# KiCad board AmigaPCI Mainboard.kicad_pcb (continued)
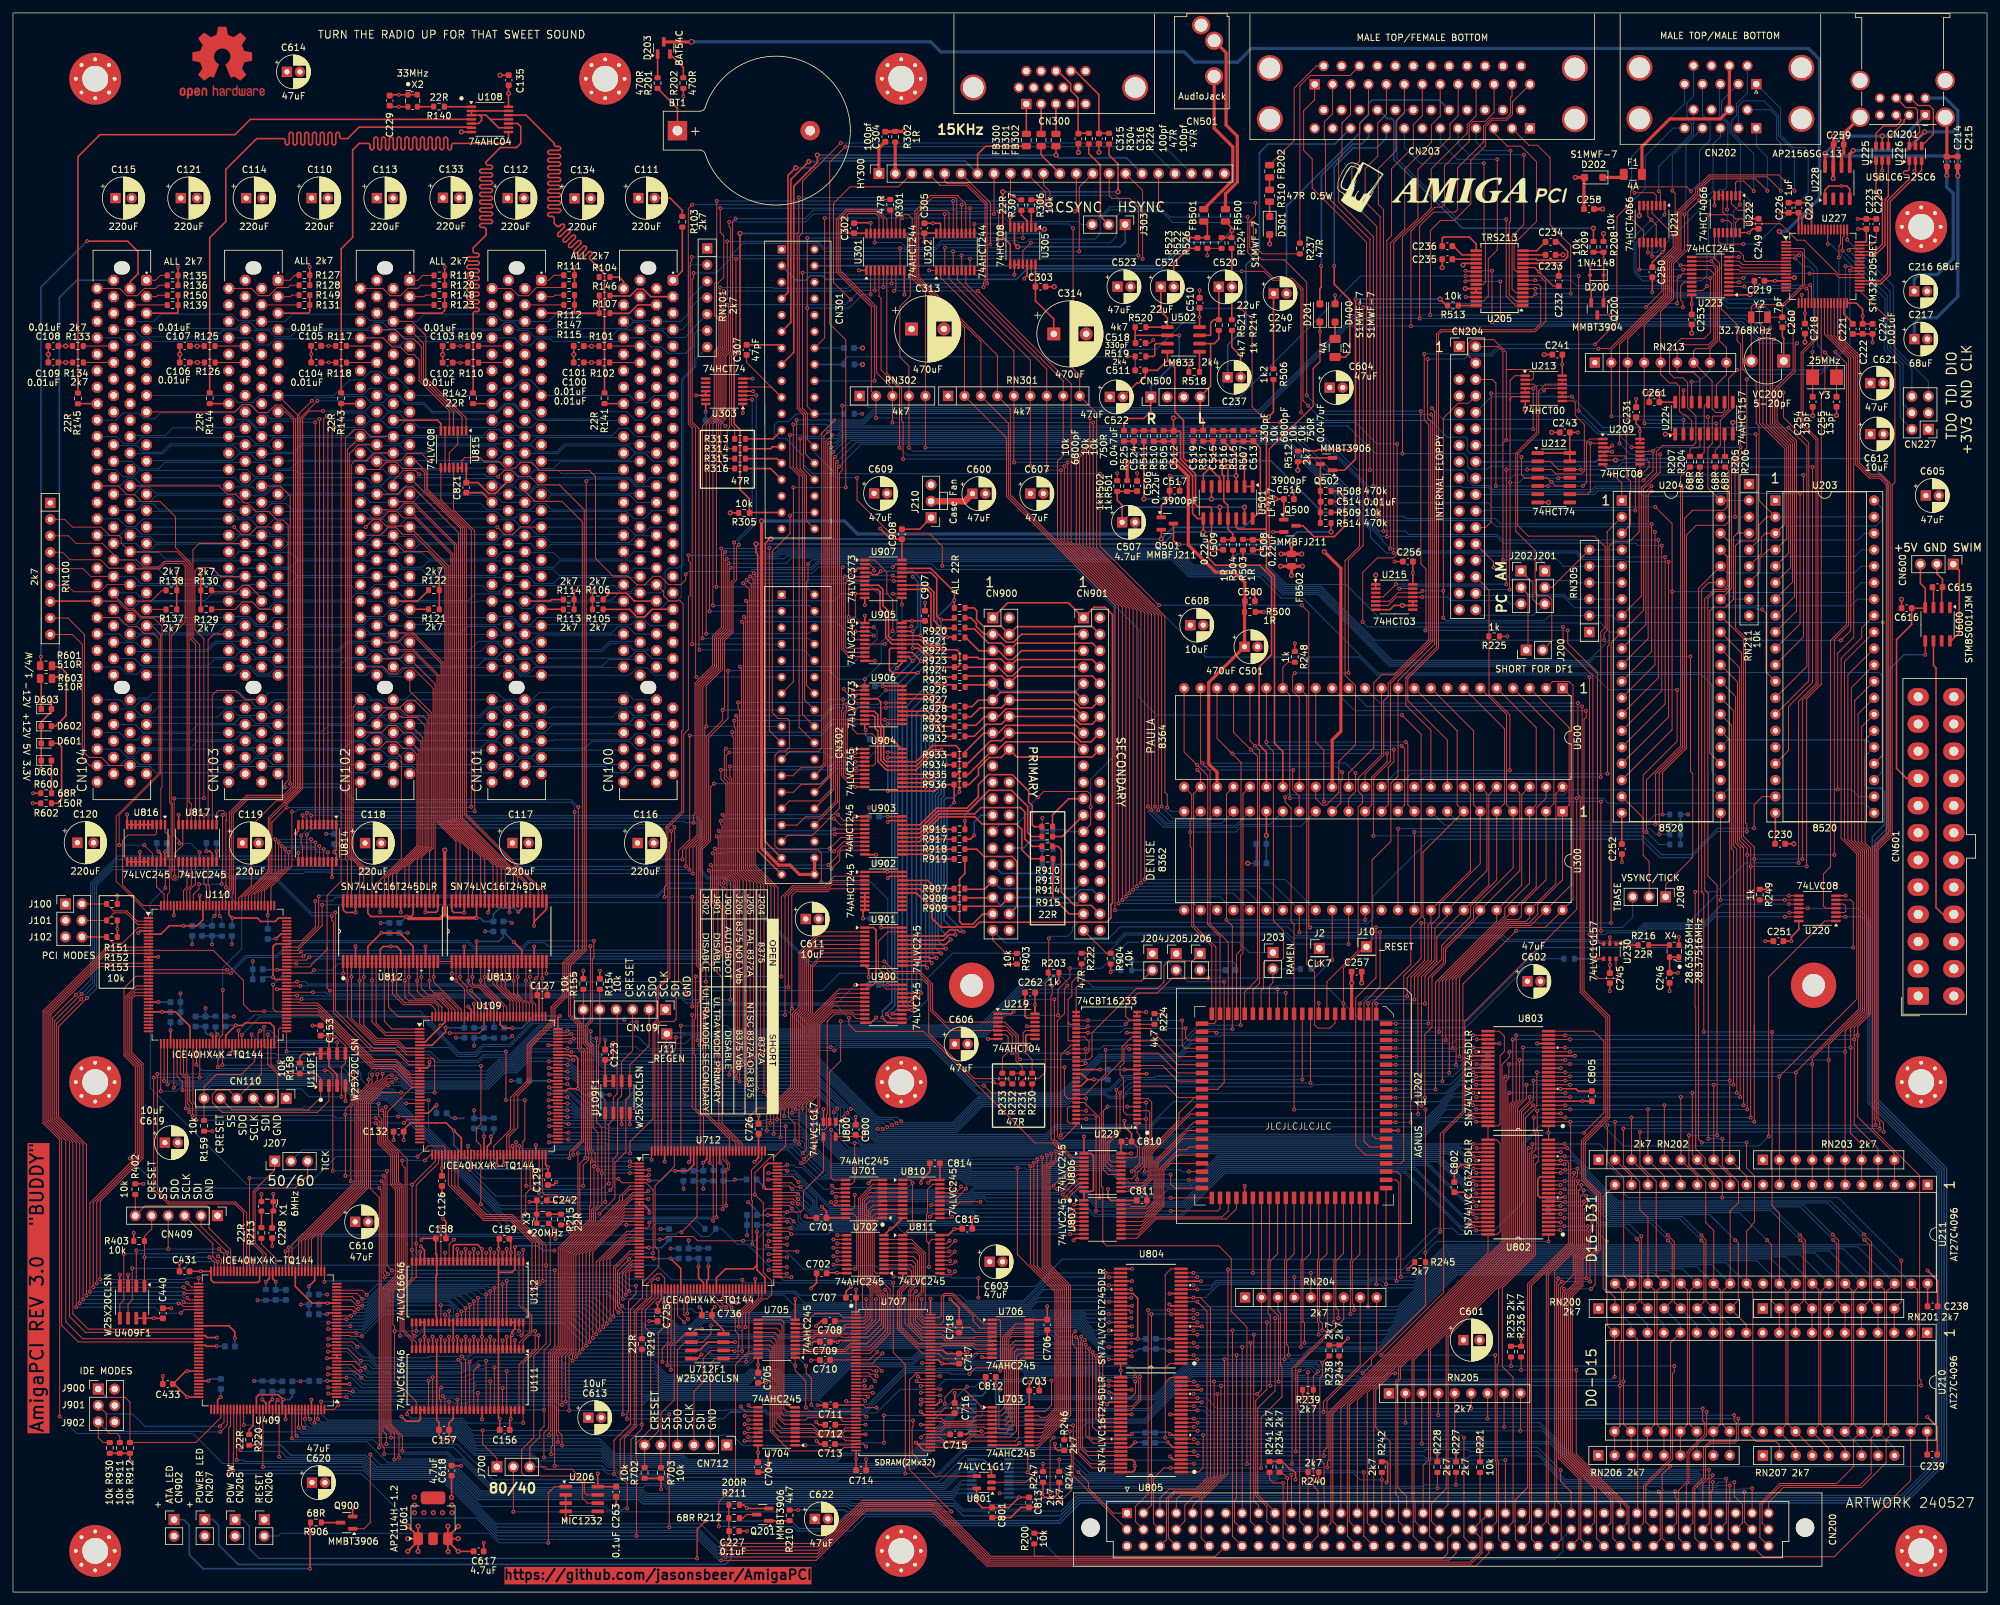
[diagram p0: board, top side]
## Routing (per net, layer and track width the routed paths; a pad name or vN(x,y) marks a point on that pad's centre or on a via; arc(x,y) is an arc through that point) (continued)
  Top w0.25: R921.2 147.88,150.45 148.74,149.59 148.74,149.12 149.96,147.9 CN900.3 152.16,147.9 153.38,146.68 154.51,146.68 155.72,147.9 CN901.3
/IDE Interface/DD8A: length 24.3
  Top w0.25: R920.2 148.39,151.97 148.8,151.56 148.8,150.17 149.82,149.15 152.57,149.15 CN900.4 155,149.07 166.64,149.07 CN901.4
/IDE Interface/DD9A: length 23
  Top w0.25: CN901.6 166.64,146.53 155,146.53 CN900.6 ; 147.12,148.72 148.44,148.72 150.62,146.54 152.6,146.54 153.8,145.34
/IDE Interface/DD10A: length 22.4
  Top w0.25: CN900.8 155,143.99 166.64,143.99 CN901.8 ; 153.8,142.8 152.52,144.08 149.17,144.08 148.91,144.34 R924.2
/IDE Interface/DD11A: length 22.2
  Top w0.25: CN901.10 166.64,141.45 155,141.45 CN900.10 152.64,141.45 147.12,141.45
/IDE Interface/DD12A: length 22.8
  Top w0.25: 147.08,135.16 147.94,135.16 149.32,136.54 152.62,136.54 153.8,137.72 ; CN900.12 163.62,137.74 164.82,136.54 166.62,136.54 CN901.12
/IDE Interface/DD13A: length 23.1
  Top w0.25: CN900.14 163.62,135.2 164.79,134.02 166.64,134.02 CN901.14 ; 153.8,135.18 152.62,134 150.27,134 148.41,132.14 R932.2
/IDE Interface/DD14A: length 24
  Top w0.25: CN901.16 166.45,131.29 164.88,131.29 163.51,132.66 CN900.16 ; R934.2 147.25,127.75 150.96,131.46 152.62,131.46 153.8,132.64
/IDE Interface/DD15A: length 24.7
  Top w0.25: R936.2 147.63,124.69 149.08,126.14 149.08,127.2 150.75,128.87 152.57,128.87 CN900.18 155,128.94 166.64,128.94 CN901.18
/IDE Interface/IDED0: length 86.4
  Top w0.25: v1(136.45,142.66) 137.25,143.45 U905.11 ; R920.1 v1(145.35,153.16) 145.35,154.44 141.72,158.07 U907.18 ; U900.11 135.03,87.91 v1(134.23,88.71)
  Bottom w0.25: v1(145.35,153.16) 142.69,150.5 142.69,148.17 138.99,144.48 138.28,144.48 v1(136.45,142.66) 135.7,141.9 135.7,91.16 134.23,89.69 v1(134.23,88.71)
/IDE Interface/IDED1: length 82.7
  Top w0.25: v1(140.2,143.74) 138.86,145.09 U905.13 ; U907.14 141.11,155.47 142.19,154.39 142.19,150.03 143.4,148.82 v1(143.94,148.82) 145.28,148.82 ; U900.13 135.89,89.21 v1(135.79,89.31)
  Bottom w0.25: 136.6,92.84 136.6,90.12 v1(135.79,89.31) ; 136.6,92.84 136.6,92.54 136.6,93.75 ; 136.6,92.84 136.6,93.75 ; 136.6,93.75 136.6,140.14 v1(140.2,143.74) 140.2,144.42 143.94,148.15 v1(143.94,148.82)
/IDE Interface/IDED2: length 80.1
  Top w0.25: U907.8 133.51,154.82 133.87,154.46 133.87,151.8 134.74,150.93 134.74,147.39 135.74,146.39 U905.15 139.78,146.39 141.83,144.34 v1(141.94,144.34) R924.1 ; U900.15 v1(139.21,90.51)
  Bottom w0.25: v1(141.94,144.34) 141.94,140.76 138.05,136.87 138.05,90.93 138.47,90.51 v1(139.21,90.51)
/IDE Interface/IDED3: length 85.4
  Top w0.25: U907.4 132.41,157.42 132.71,157.12 133.45,157.12 v1(133.96,157.63) ; v1(143.42,146.11) 141.71,146.11 v1(140.13,147.69) U905.17 ; R926.1 v1(143.19,141.29) ; U900.17 v1(139.5,91.81)
  Bottom w0.25: v1(143.42,146.11) 143.42,144.05 143.19,143.82 v1(143.19,141.29) 143.19,139.36 139.5,135.67 139.5,93.29 v1(139.5,91.81) ; v1(133.96,157.63) 138.99,157.63 140.13,156.49 v1(140.13,147.69)
/IDE Interface/IDED4: length 57.9
  Top w0.25: U901.12 141.59,97.4 v1(141.87,97.12) ; v1(141.54,124.98) 141.53,124.98 U904.12 ; R929.1 142.98,135.2 v1(142.67,135.51) 142.67,136.63 141.34,137.96 U906.17
  Bottom w0.25: v1(142.67,135.51) 141.51,134.36 141.51,97.47 v1(141.87,97.12)
/IDE Interface/IDED5: length 56.9
  Top w0.25: U904.14 142.87,126.28 v1(142.87,126.28) ; U901.14 143.25,98.7 v1(143.33,98.62) ; U906.13 140.81,135.36 v1(142.6,133.57) 144.03,132.14 R932.1
  Bottom w0.25: v1(143.33,98.62) 142.42,99.53 142.42,123.05 142.87,123.5 v1(142.87,126.28) 142.87,128.04 142.42,128.5 142.42,132.63 142.6,132.82 v1(142.6,133.57)
/IDE Interface/IDED6: length 59.8
  Top w0.25: R934.1 144.13,127.75 v1(144.12,127.76) ; v1(144.8,100.76) 144.04,100 U901.16 ; v1(143.35,130.07) 143.33,130.06 141.95,130.06 139.47,127.58 U904.16 134.86,127.58 134,128.43 134,133.35 133.54,133.81 133.54,135.45 132.98,136.01 U906.7
  Bottom w0.25: v1(144.8,100.76) 143.31,102.24 143.31,122.47 143.77,122.92 143.77,125.39 143.94,125.56 143.94,127.58 v1(144.12,127.76) 144.12,129.3 v1(143.35,130.07)
/IDE Interface/IDED7: length 66.8
  Top w0.25: v1(146.79,101.97) 146.12,101.97 145.86,102.23 144.61,102.23 143.68,101.3 U901.18 ; v1(145.33,121.94) 145.31,121.95 R936.1 143.32,124.69 142.33,123.7 v1(135.08,123.7) ; v1(130.01,138.41) 130.2,138.61 U906.3 ; v1(135.08,128.88) 137.25,128.88
  In2.Cu w0.25: v1(130.01,138.41) 130.96,137.46 130.96,130.89 132.98,128.88 v1(135.08,128.88)
  Bottom w0.25: v1(135.08,123.7) v1(135.08,128.88) ; v1(145.33,121.94) 144.21,120.82 144.21,104.54 v1(146.79,101.97)
/IDE Interface/IDED8: length 65.4
  Top w0.25: 146.14,126.63 v1(146.14,123.57) ; 146.14,126.63 145.73,126.22 R935.1 ; 146.14,126.63 146.14,130.14 145.58,130.7 141.96,130.7 139.49,128.23 U904.17 134.84,128.23 134.45,128.62 134.45,133.54 133.99,134 133.99,137.46 133.49,137.96 U906.4 ; v1(145.54,101.51) 144.52,101.51 143.66,100.65 U901.17
  Bottom w0.25: v1(145.54,101.51) 145.54,101.93 143.76,103.71 143.76,122.28 144.1,122.61 145.18,122.61 v1(146.14,123.57)
/IDE Interface/IDED9: length 59.7
  Top w0.25: v1(144.05,99.34) 144.04,99.35 U901.15 ; R933.1 v1(143.04,129.29) 141.82,129.29 139.46,126.93 U904.15 134.87,126.93 133.55,128.25 133.55,132.96 133.09,133.42 133.09,135.12 132.85,135.36 U906.8
  Bottom w0.25: v1(143.04,129.29) 143.5,128.83 143.5,125.78 143.32,125.61 143.32,123.25 142.87,122.8 142.87,100.52 v1(144.05,99.34)
/IDE Interface/IDED10: length 56.9
  Top w0.25: U906.14 141.24,136.01 v1(142.64,134.61) 143.58,133.67 R931.1 ; U904.13 142.24,125.63 v1(142.25,125.63) ; U901.13 141.34,98.05 141.48,97.91 v1(142.6,97.91)
  Bottom w0.25: v1(142.6,97.91) 141.96,98.55 141.96,123.29 142.25,123.57 v1(142.25,125.63) 142.25,127.95 141.96,128.23 141.96,133.93 v1(142.64,134.61)
/IDE Interface/IDED11: length 58.5
  Top w0.25: v1(140.89,124.34) 140.88,124.33 U904.11 ; v1(141.15,96.4) 140.8,96.75 U901.11 ; R928.1 143.89,136.73 v1(143.4,137.21) 142.01,138.61 U906.18
  Bottom w0.25: v1(143.4,137.21) 140.91,134.72 140.91,96.64 v1(141.15,96.4)
/IDE Interface/IDED12: length 87.9
  Top w0.25: 145.27,140.1 v1(143.97,140.1) 142.44,140.1 141.1,141.44 141.1,144.43 139.77,145.76 v1(138.95,145.76) ; v1(138.94,148.34) 138.94,148.34 U905.18 ; U907.3 130.38,158.07 v1(130.01,157.7) ; U900.18 140.2,92.46 v1(140.22,92.48)
  In2.Cu w0.25: v1(138.94,156.8) 136.84,158.9 131.21,158.9 v1(130.01,157.7)
  Bottom w0.25: v1(138.95,145.76) 138.95,148.33 v1(138.94,148.34) 139.68,149.08 139.68,156.05 v1(138.94,156.8) ; v1(140.22,92.48) 140.23,92.48 140.23,135.05 143.97,138.8 v1(143.97,140.1)
/IDE Interface/IDED13: length 83.1
  Top w0.25: v1(142.56,142.81) 142.57,142.82 R925.1 145.89,142.82 146.18,143.11 146.18,145.05 145.74,145.49 141.7,145.49 140.15,147.04 U905.16 135.72,147.04 135.19,147.57 135.19,151.47 134.32,152.34 134.32,154.82 133.67,155.47 U907.7 ; v1(138.78,91.19) 138.75,91.16 U900.16
  Bottom w0.25: v1(142.56,142.81) 142.56,140.05 138.78,136.27 v1(138.78,91.19)
/IDE Interface/IDED14: length 86.7
  Top w0.25: v1(138.77,89.84) 138.75,89.86 U900.14 ; U907.13 141.12,154.82 141.74,154.2 141.74,149.14 143.4,147.48 v1(144.23,147.48) 145.27,147.48 ; v1(139.74,141.95) 135.78,141.95 135.32,142.41 135.32,145.52 135.54,145.74 U905.14
  Bottom w0.25: v1(138.77,89.84) 138.49,89.84 137.33,91 137.33,139.54 v1(139.74,141.95) 140.98,143.19 140.98,144.55 143.9,147.48 v1(144.23,147.48)
/IDE Interface/IDED15: length 83.4
  Top w0.25: U900.12 135.58,88.56 v1(134.91,89.23) ; v1(138.94,143.79) 138.29,144.44 U905.12 ; U907.17 141.73,157.42 142.64,156.51 142.64,150.72 143.22,150.14 145.29,150.14
  Bottom w0.25: v1(134.91,89.23) 134.91,89.31 136.15,90.56 136.15,141 v1(138.94,143.79) 143.31,148.16 v1(143.31,150.14)
/IDE Interface/INTRQ: length 5
  Bottom w0.25: 160.59,110.34 158.94,111.99 158.94,114.67
/IDE Interface/IRDY: length 186.4
  Top w0.15: CN901.27 166.4,118.54 v1(166.4,121.22) 166.4,123.13 165.92,123.62 159.14,123.62 v1(158.23,122.72) ; v1(103.87,157.16) 103.87,156.29 103.13,155.55 101.24,155.55 99.94,156.85 98.86,156.85 97.53,155.52 96.34,155.52 95,156.86 92.69,156.86 89.95,159.61 89.95,172.24 89.02,173.17 81.29,173.17 80,174.46 78.43,174.46 77.52,173.55 76.06,173.55 75.08,174.53 72.78,174.53 72.14,175.17 69.73,175.17 69.32,174.76 U815.13
  Top w0.25: U815.12 U815.13
  Bottom w0.15: v1(103.87,157.16) 104.29,157.58 113.84,157.58 114.17,157.91 123.39,157.91 124.28,158.8 141.82,158.8 142.71,157.91 164.11,157.91 170,152.02 170,129.1 166.4,125.51 v1(166.4,121.22) ; CN901.27 162.92,117.42 162.63,117.71 160.59,117.71 ; CN900.27 152.4,118.54 154.94,118.54 156.99,120.6 156.99,121.47 v1(158.23,122.72)
/Master Control/AUTOBOOT: length 28.9
  Top w0.15: U409.112 32.09,26.94 28.23,23.08 R912.1 18.06,29.32 17.32,30.06 14.46,30.06 J901.1
/Master Control/U409_CRESET: length 26.6
  Top w0.15: U409.66 33.59,51.35 33.62,51.38 33.62,52.86 30.26,56.21 30.26,59.31 29.94,59.63 20.4,59.63 CN409.6 R402.2
/Master Control/U409_SCK: length 32.3
  Top w0.15: v1(18.41,50) 18.41,45.11 17.77,44.46 U409F1.6 ; 31.62,49.55 v1(31.62,51.01) 30.85,51.77 30.85,53.77 CN409.3
  Bottom w0.15: v1(18.41,50) 18.43,49.99 26.4,49.99 27.42,51.01 v1(31.62,51.01)
/Master Control/U409_SDI: length 36.5
  Top w0.15: CN409.2 29.05,56.47 v1(33.09,52.43) U409.67 ; v1(17.12,52.24) 17.12,45.1 16.5,44.49 U409F1.5
  Bottom w0.15: v1(33.09,52.43) 33.09,52.44 28.46,52.44 28.26,52.24 v1(17.12,52.24)
/Master Control/U409_SDO: length 27.3
  Top w0.15: U409.68 32.59,52.19 v1(31.82,52.96) ; CN409.4 v1(23.97,52.96) ; 19.04,52.75 U409F1.2
  Bottom w0.15: v1(19.04,52.76) 20.13,52.76 20.33,52.96 v1(23.97,52.96) v1(31.82,52.96)
/Master Control/U409_SS: length 23.9
  Top w0.15: v1(20.31,51.71) 20.31,54.95 21.43,56.08 CN409.5 ; U409.71 31.09,50.94 v1(30.33,51.7) ; 20.31,51.7 U409F1.1
  Bottom w0.15: v1(20.31,51.71) 20.31,51.7 v1(30.33,51.7)
/Master Control/ULTRA_P: length 30.8
  Top w0.15: v1(31.95,25.6) 32.59,26.23 U409.113 ; R911.1 16.5,24.05 16.06,24.49 14.91,24.49 14.42,24.98 14.42,27.56 J901.3
  Bottom w0.15: J901.3 14.49,27.49 18.47,27.49 20.36,25.6 v1(31.95,25.6)
/Master Control/ULTRA_S: length 27.9
  Top w0.15: v1(32.02,24.73) 33.09,25.8 U409.114 ; R930.1 13.95,23.08 13.17,23.86 J901.5
  Bottom w0.15: J901.5 14.64,24.8 28.97,24.8 29.04,24.73 v1(32.02,24.73)
/PCI Bridge/J100: length 11.4
  Top w0.15: JPCI1.2 R151.2 15.53,105.18 17.6,105.18 19.19,103.59 U110.2
/PCI Bridge/J101: length 11.5
  Top w0.15: JPCI1.4 R152.2 15.63,104.88 17.48,104.88 19.27,103.09 U110.3
/PCI Bridge/J102: length 15.7
  Top w0.15: R153.2 13.21,101.16 13.2,101.17 ; R153.2 15.43,100.19 16.92,100.19 19.32,102.59 U110.4 ; R153.2 10.66,101.16 ; 13.2,101.17 13.44,101.17 ; 13.2,101.17 JPCI1.6
/PCI Bridge/U109_CRESET: length 44.7
  Top w0.15: U109.66 79.23,62.75 v1(79.24,62.74) ; R155.2 CN109.6 88.06,84.71 88.69,84.08 88.69,68.12 88.91,67.9 88.91,66.77 88.05,65.91 v1(88.05,62.74)
  Bottom w0.15: v1(79.24,62.74) 79.25,62.74 v1(88.05,62.74)
/PCI Bridge/U109_SCK: length 46.3
  Top w0.15: CN109.3 95.68,83.61 93.97,81.91 U109F1.6 93.97,76.64 93.35,76.02 93.35,67.56 92.63,66.84 92.63,62.51 v1(92.23,62.11) ; U109.70 81.23,61.68 v1(81.22,61.67)
  Bottom w0.15: v1(92.23,62.11) 91.79,61.67 v1(81.22,61.67)
/PCI Bridge/U109_SDI: length 55.6
  Top w0.15: CN109.2 98.22,84.36 95.25,81.38 U109F1.5 95.25,76.6 94.63,75.99 94.63,67.95 92.94,66.25 92.94,60.81 v1(90.55,58.43) ; U109.67 79.73,66.59 79.64,66.5 79.64,65.65 79.85,65.44 79.85,62.22 79.18,61.55 v1(79.18,58.42)
  Bottom w0.15: v1(79.18,58.42) 87.12,58.42 87.13,58.43 v1(90.55,58.43)
/PCI Bridge/U109_SDO: length 44.6
  Top w0.15: U109.68 80.23,63.92 80.37,63.78 v1(80.37,62.2) ; v1(91.99,63.07) 91.99,72.27 92.71,72.98 U109F1.2 92.71,76.36 93.28,76.94 93.28,89.8
  Bottom w0.15: v1(80.37,62.2) 90.87,62.2 91.74,63.07 v1(91.99,63.07)
/PCI Bridge/U109_SS: length 49.5
  Top w0.15: v1(91.45,60.2) 91.44,60.22 U109F1.1 91.44,75.95 90.4,76.99 90.4,84.5 90.63,84.74 90.63,89.91 ; v1(85.06,60.2) 83.94,61.33 82.15,61.33 81.75,61.74 81.75,67.51 ; CN109.5 90.6,93.06
  Bottom w0.15: v1(85.06,60.2) v1(91.45,60.2)
/PCI Bridge/U409_CRESET: length 17.4
  Top w0.15: U110.66 37.34,82 35.26,79.92 31.39,79.92 29.5,78.03 CN110.6 ; R159.2 29.51,76.23
/PCI Bridge/U409_SCK: length 29
  Top w0.15: 50.06,83.16 50.06,84.88 v1(50.05,84.89) ; v1(39.34,86.11) U110.70 39.34,81.51 40.89,79.96 40.89,75.27 40.39,74.77 38.59,74.77 CN110.3
  Bottom w0.15: v1(50.05,84.89) 40.56,84.89 v1(39.34,86.11)
/PCI Bridge/U409_SDI: length 36.9
  Top w0.15: v1(50.71,76.49) 50.71,81.04 51.32,81.66 51.32,84.36 49.98,85.7 v1(49.65,85.7) ; v1(38.19,86.68) 37.84,86.33 U110.67
  Bottom w0.15: v1(38.19,86.68) 39.77,86.68 41.26,85.19 49.14,85.19 v1(49.65,85.7) ; v1(50.71,76.49) 45.74,76.49 44.54,77.69 41.1,77.69 CN110.2
/PCI Bridge/U409_SDO: length 37.6
  Top w0.15: U110.68 38.34,80 CN110.4 33.29,77.53 31.47,77.53 30.77,76.83 30.77,75.6 32.29,74.08 47.01,74.08 48.78,75.85 U110F1.2
/PCI Bridge/U409_SS: length 31.7
  Top w0.15: CN110.5 33.81,74.47 45.6,74.47 47.51,76.38 U110F1.1 47.51,79.32 46.79,80.05 R158.2 41.22,80.05 39.84,81.43 U110.71
/PCI Bus/_ACK64: length 109.3
  Top w0.15: CN104.B60 11.84,127.62 10.71,128.75 10.71,146.33 9.18,147.86 RN100.9
  Bottom w0.15: 74.11,127.78 77.29,127.78 78.25,128.74 80.16,128.74 81.12,127.78 94.1,127.78 ; 53.8,127.78 57.3,127.78 58.26,128.74 59.34,128.74 60.3,127.78 73.79,127.78 ; CN104.B60 16.51,127.62 17.62,128.74 18.58,128.74 19.54,127.78 33.17,127.78 ; 53.48,127.78 40.14,127.78 39.18,128.74 37.37,128.74 36.41,127.78 33.47,127.78
/PCI Bus/_DEVSEL: length 155.7
  Top w0.13: U817.16 v1(28.83,114.21) ; 29.48,147.2 v1(29.48,122.58) ; RN100.5 10.83,158.02 12.01,156.83 CN104.B37 ; v1(25.71,115.61) 25.71,115.97 24.89,116.79 v1(24.89,122.56)
  Top w0.15: CN103.B37 32.01,156.83 30.65,158.2 28.59,158.2 28.09,157.7 28.09,148.59 29.48,147.2
  Bottom w0.13: 35.85,156.83 38.91,156.83 40.02,155.72 42.77,155.72 43.73,156.68 56.02,156.68 ; 56.18,156.82 59.22,156.82 60.34,155.71 63.09,155.71 64.05,156.67 76.34,156.67 ; 76.49,156.82 79.54,156.82 80.66,155.71 83.4,155.71 84.36,156.67 96.65,156.67 ; v1(25.71,115.61) 27.43,115.61 v1(28.83,114.21) ; v1(24.89,122.56) 29.46,122.56 v1(29.48,122.58) ; 35.71,156.68 31.13,156.68 30.17,155.72 19.81,155.72 18.69,156.83 CN104.B37
/PCI Bus/_FRAME: length 149.3
  Top w0.13: CN104.A34 16.71,162.02 16.71,162.81 16.39,163.13 14.93,163.13 13.61,164.45 9.17,164.45 7.98,165.64 RN100.2
  Top w0.15: U817.7 27.53,121.71 27.19,122.05 27.19,158.76 25.3,160.64 CN104.A34
  Bottom w0.13: 79.17,160.49 83.49,160.49 84.46,159.52 94.73,159.52 95.84,160.63 99.35,160.63 ; 79.04,160.63 75.54,160.63 74.42,159.52 64.15,159.52 63.18,160.49 58.86,160.49 ; 18.23,160.5 22.55,160.5 23.52,159.53 33.79,159.53 34.9,160.64 CN103.A34 ; 58.71,160.64 55.21,160.64 54.1,159.53 43.83,159.53 42.86,160.5 38.54,160.5
/PCI Bus/_INTA: length 124.4
  Top w0.13: 61.04,196.21 61.56,196.21 63.37,194.4
  Top w0.15: U815.1 69.97,181.3 63.75,187.52 63.75,194.02 62.84,194.93 ; 63.65,194.12 63.37,194.4 ; 61.04,196.21 CN102.A6
  Bottom w0.13: 38.31,196.31 34.81,196.31 33.79,197.33 22.87,197.33 21.75,196.21 CN104.A6 ; 58.72,196.2 62.39,196.2 63.51,197.33 74.43,197.33 75.45,196.31 ; 104.27,197.69 104.27,204.45 104.77,204.95 RN101.2 ; 58.62,196.31 55.12,196.31 54.1,197.33 43.18,197.33 42.06,196.21 38.39,196.21
  Bottom w0.15: 78.95,196.31 75.45,196.31 ; 99.24,196.31 95.77,196.31 94.75,197.33 83.82,197.33 82.7,196.2 79.03,196.2 ; CN100.A6 103.13,196.21 104.27,197.35 104.27,197.69
/PCI Bus/_INTB: length 122.7
  Top w0.15: U815.4 68.02,182.26 63.05,187.23 63.05,192.33 61.86,193.52 60.46,193.52 59.03,194.94 CN102.B7
  Bottom w0.13: 96.94,194.83 100.26,194.83 101.37,193.72 103.75,193.72 104.74,194.71 104.74,198.4 106.21,199.87 RN101.4 ; 56.04,194.8 43.79,194.8 42.83,193.84 40.49,193.84 39.53,194.8 36.01,194.8 ; CN104.B7 18.73,194.94 19.86,193.82 31.39,193.82 32.45,194.88 35.8,194.88 ; 56.28,194.85 59.11,194.85 60.12,193.84 71.47,193.84 72.44,194.81 75.2,194.81 75.34,194.94 CN101.B7 77.91,194.94 78.07,194.79 79.51,194.79 80.49,193.81 92.32,193.81 92.32,193.82 93.38,194.88 96.76,194.88
/PCI Bus/_INTC: length 113.1
  Top w0.15: U815.2 69.32,181.46 63.4,187.38 63.4,192.81 CN102.A7
  Bottom w0.13: 20.79,195.11 34.47,195.11 35.41,196.05 36.64,196.05 37.66,195.03 40.86,195.03 ; 41.04,195.04 54.72,195.04 55.73,196.05 57.08,196.05 58.02,195.11 61.1,195.11 ; CN100.A7 103.28,194.94 104.51,196.17 104.51,199.73 RN101.3 ; 81.44,195.09 78.19,195.09 77.23,196.05 76.02,196.05 75.01,195.04 61.36,195.04 ; 101.79,195.06 98.27,195.06 97.26,196.07 95.7,196.07 94.74,195.11 83.46,195.11 83.32,194.97 81.61,194.97
/PCI Bus/_INTD: length 127.2
  Top w0.15: U815.5 67.37,182.42 62.7,187.09 62.7,190.3 61.93,191.07 61.02,191.07 59.83,192.26 58.56,192.26 57.15,193.67 CN102.B8
  Bottom w0.13: 73.95,193.66 77.45,193.66 78.57,192.55 79.94,192.55 79.94,192.56 80.89,193.51 83,193.51 83.44,193.07 93.67,193.07 94.27,193.66 ; CN103.B8 32.73,193.08 21.6,193.08 21.16,193.52 20.16,193.52 19.2,192.56 17.62,192.56 16.51,193.67 CN104.B8 ; 53.49,193.52 40.47,193.52 39.51,192.56 37.93,192.56 36.82,193.67 33.31,193.67 ; 53.64,193.66 57.14,193.66 58.26,192.55 59.84,192.55 60.8,193.51 61.79,193.51 62.23,193.07 73.36,193.07 73.96,193.66
  Bottom w0.15: CN100.B8 97.13,193.67 98.56,192.25 100.17,192.25 101.13,191.29 103.89,191.29 104.98,192.38 104.98,195.12 RN101.5
/PCI Bus/_IRDY: length 147.7
  Top w0.13: RN100.3 8.57,163.1 9.73,161.94 13.82,161.94 15.54,160.21 15.54,159.38 19.06,159.38 20.17,158.27 22.5,158.27 23.2,158.97
  Top w0.15: 23.2,158.97 23.37,159.14 26.33,159.14 26.89,158.58 26.89,119.24
  Bottom w0.13: 76.49,159.36 79.42,159.36 80.53,158.25 83.49,158.25 84.46,159.22 96.66,159.22 ; 35.85,159.38 38.78,159.38 39.9,158.26 42.86,158.26 43.83,159.23 56.03,159.23 ; 35.72,159.23 23.52,159.23 22.55,158.26 19.59,158.26 18.47,159.38 15.54,159.38 ; 56.18,159.36 59.11,159.36 60.22,158.25 63.18,158.25 64.15,159.22 76.35,159.22
/PCI Bus/_PERR: length 133.9
  Top w0.13: U816.2 22.83,124.09 23.01,124.27 23.01,149.12 21.74,150.39 19.74,150.39 18.54,151.59 17.59,151.59 16.15,153.02 CN104.B40
  Top w0.25: CN104.B40 5.84,153.02
  Bottom w0.13: CN104.B40 16.51,153.02 17.62,151.91 18.53,151.91 19.51,152.89 33.19,152.89 ; 53.64,153.01 57.14,153.01 58.26,151.9 59.27,151.9 60.23,152.86 71.65,152.86 71.81,153.02 CN101.B40 ; 33.31,153.02 36.82,153.02 37.93,151.91 39.51,151.91 40.48,152.88 53.49,152.88 ; 94.12,152.87 81.12,152.87 80.15,151.9 78.57,151.9 77.45,153.01 73.95,153.01
/PCI Bus/_REQ64: length 116
  Top w0.15: RN100.8 8.51,150.4 11.03,147.88 11.03,129.61 11.75,128.89 13.66,128.89 14.93,127.62 CN104.A60
  Bottom w0.15: 78.9,127.48 75.4,127.48 74.43,126.51 62.69,126.51 61.72,127.48 58.87,127.48 ; 38.26,127.48 34.76,127.48 33.79,126.51 22.09,126.51 21.12,127.48 18.23,127.48 ; 79.19,127.48 81,127.48 91.45,127.48 92.42,126.51 95.09,126.51 96.21,127.62 CN100.A60 ; 58.58,127.48 55.73,127.48 54.76,126.51 52.18,126.51 51.21,127.48 38.55,127.48
/PCI Bus/_TRDY: length 160.1
  Top w0.13: U817.11 25.58,110.34 25.18,109.94 24.76,109.94 24.42,110.28 24.42,111.14 24.68,111.4 24.68,111.95 24.66,111.97 24.66,121.73 24.42,121.97 24.42,147.62 26.29,149.49 ; RN100.4 7.65,160.56 8.81,159.4 13.51,159.4 14.81,158.1
  Top w0.15: 18.18,158.01 22.66,158.01 23.49,158.84 26.21,158.84 26.59,158.46 26.59,149.79 26.29,149.49 ; CN104.A36 14.81,158.1
  Bottom w0.13: CN103.A36 34.9,158.1 33.78,156.98 32.11,156.98 31.01,156.98 30.41,156.39 24.01,156.39 22.44,157.96 18.23,157.96 ; 58.71,158.1 55.21,158.1 54.09,156.98 43.73,156.98 42.75,157.96 38.54,157.96 ; 79.17,157.95 83.38,157.95 84.36,156.97 94.72,156.97 95.84,158.09 99.35,158.09 ; 79.04,158.09 75.54,158.09 74.41,156.97 64.05,156.97 63.07,157.95 58.86,157.95
/PCI Bus/PAR: length 129.1
  Top w0.13: v1(20.26,115.33) 21.53,114.06 U816.17 ; CN104.A43 21.46,149.21 22.78,147.9 22.78,126.34 16.4,119.96 v1(16.4,115.33)
  Bottom w0.13: 61.42,149.37 75.08,149.37 76.04,150.33 76.97,150.33 78.24,149.06 81.43,149.06 ; 56.91,150.06 57.76,149.21 CN102.A43 ; 56.91,150.06 56.68,150.3 ; 56.91,150.06 56.65,150.33 55.11,150.33 54.15,149.37 41.1,149.37 ; 20.78,149.37 34.44,149.37 35.4,150.33 36.33,150.33 37.58,149.08 40.81,149.08 ; CN100.A43 98.39,149.21 97.28,150.32 96.37,150.32 95.42,149.37 81.74,149.37 ; v1(20.26,115.33) v1(16.4,115.33)
/PCI Bus/SMBCLK0: length 9.1
  Top w0.25: CN100.A40 95.93,153.02 94.71,154.25 92.09,154.25 R106.2
/PCI Bus/SMBCLK1: length 6
  Top w0.25: CN101.A40 82.96,153.02 83.19,153.26 R114.2
/PCI Bus/SMBCLK2: length 6.1
  Top w0.25: R122.2 62.49,153.02 CN102.A40
/PCI Bus/SMBCLK3: length 8.7
  Top w0.15: 38.4,153.48 36.46,155.42 35.41,155.42 34.44,154.45 30.9,154.45
/PCI Bus/SMBCLK4: length 6.2
  Top w0.15: R138.2 23.01,154.68 22.36,154.03 22.35,154.03 21.35,153.02 CN104.A40
/PCI Bus/SMBDAT0: length 11.7
  Top w0.25: CN100.A41 98.69,151.75 97.52,150.59 96.34,150.59 95.18,151.75 R105.2
/PCI Bus/SMBDAT1: length 3.4
  Top w0.25: CN101.A41 84.97,151.75
/PCI Bus/SMBDAT2: length 2.9
  Top w0.25: CN102.A41 64.16,151.75
/PCI Bus/SMBDAT3: length 11.2
  Top w0.15: R129.2 34.27,151.74 35.4,152.87 36.96,152.87 38.07,151.75 CN103.A41
/PCI Bus/SMBDAT4: length 3
  Top w0.15: CN104.A41 23.62,151.75
/PCI Bus/TDI0: length 7.7
  Top w0.25: 92.18,197.48 95.17,197.48 96.45,198.75 CN100.A4
/PCI Bus/TDI1: length 6
  Top w0.15: CN101.A4 85.04,198.75
/PCI Bus/TDI2: length 6.3
  Top w0.15: CN102.A4 65.01,198.75
/PCI Bus/TDI3: length 5.8
  Top w0.15: CN103.A4 44.16,198.75
/PCI Bus/TDI4: length 5.7
  Top w0.15: 23.79,198.75 CN104.A4
/PCI Bus/TMS0: length 10.6
  Top w0.25: 92.25,200.13 95.28,200.13 96.34,201.19 97.31,201.19 98.47,200.02 CN100.A3
/PCI Bus/TMS1: length 3.6
  Top w0.15: CN101.A3 83.47,200.02 83.73,200.28 R147.2
/PCI Bus/TMS2: length 3.9
  Top w0.15: CN102.A3 63.48,200.02 63.72,200.27 R148.2
/PCI Bus/TMS3: length 3.3
  Top w0.15: CN103.A3 42.82,200.02 43.06,200.27 R149.2
/PCI Bus/TMS4: length 3.3
  Top w0.15: R150.2 22.36,200.25 22.13,200.02 CN104.A3
/Power and Spares/_PS-ON: length 44.6
  Top w0.25: 296.52,146.97 296.52,143.09 296.92,142.7 296.92,105.71 297.99,104.64 CN601.16
/Power and Spares/PWRSW: length 416
  Top w0.2: v1(105.63,5.2) 105.63,9.69 v1(106.91,10.97) ; 295.25,146.97 v1(295.25,144.74)
  Bottom w0.2: v1(106.91,10.97) 120.17,10.97 121.34,9.8 126.48,9.8 128.69,12 142.33,12 143.7,10.63 161.65,10.63 164.77,13.75 292.23,13.75 298.57,20.09 298.57,65.44 287.88,76.13 287.88,115.68 289.84,117.64 289.84,142.59 291.99,144.74 v1(295.25,144.74) ; CN205.1 35.5,11.19 36.5,10.19 36.5,6.69 38,5.19 105.62,5.19 v1(105.63,5.2)
/Power and Spares/RSTBTN: length 56
  Top w0.15: 83.04,15.71 83.6,16.27 U206.1 ; 83.04,15.71 82.65,15.32 ; 83.04,15.71 82.66,15.33 v1(82.66,7.61)
  Bottom w0.15: CN206.2 40.92,8.65 41.34,9.07 73.53,9.07 74.99,7.61 v1(82.66,7.61)
/Power and Spares/SWIM: length 12.9
  Top w0.25: 299.06,146.97 299.36,146.97 300.51,148.13 300.51,157.8 CN600.1
/Serial/AUDIOOUT: length 52.3
  Bottom w0.25: C237.1 187.55,192.58 190.36,195.38 190.36,204.89 192.46,207 192.46,222.25 193.8,223.59 204.1,223.59 CN203.36
/Serial/CD: length 99.1
  Top w0.15: v1(229.67,196.67) 229.66,196.69 v1(229.66,202.38) ; v1(271.91,193.47) 271.67,193.24 271.67,180.47 274.77,177.38 274.77,155.96 U203.7 ; v1(224.25,202.38) 224.44,202.57 U205.22
  Bottom w0.15: v1(271.91,193.47) 271.17,193.47 271.17,193.47 270.56,193.47 267.36,196.67 v1(229.67,196.67) ; v1(224.25,202.38) v1(229.66,202.38)
/Serial/CD-IN: length 36.3
  Top w0.15: v1(227.1,220.65) 227.13,220.62 227.13,216.73 227.14,216.72 227.14,208.77 227.34,208.56 227.34,202.24 227.02,201.92 U205.23
  Bottom w0.15: v1(227.1,220.65) 227.08,220.62 217.3,220.62 214.83,223.09 CN203.33
/Serial/CTS: length 83.8
  Top w0.15: v1(271.32,195.19) 271.32,180.31 274.47,177.17 274.47,158.2 U203.6 ; v1(235.06,201.27) 235.06,201.27 U205.5
  Bottom w0.15: v1(235.06,201.27) 235.06,201.27 255.5,201.27 256.5,200.27 263.51,200.27 264.78,199.01 270.02,199.01 271.32,197.71 v1(271.32,195.19)
/Serial/CTS-IN: length 36.6
  Top w0.15: v1(233.27,221.95) 233.27,211.15 231.47,209.35 231.47,201.17 232.02,200.62 U205.4
  Bottom w0.15: v1(233.27,221.95) 224.84,221.95 223.14,223.64 CN203.30
/Serial/DSR: length 90.3
  Top w0.15: v1(224.3,199.97) 224.3,199.97 U205.26 ; U203.5 274.17,160.44 274.17,176.97 270.75,180.39 270.75,194.77 269.65,195.87 v1(269.65,198.28)
  Bottom w0.15: v1(269.65,198.28) 264.68,198.28 262.98,199.97 v1(224.3,199.97)
/Serial/DSR-IN: length 36
  Top w0.15: U205.27 227.02,199.32 227.79,200.09 227.79,205.85 229.18,207.24 229.18,216.35 229.18,216.36 229.18,221.23 v1(229.18,221.23)
  Bottom w0.15: v1(229.18,221.23) 222.99,221.23 220.37,223.85 CN203.31
/Serial/DTR: length 110.7
  Top w0.15: v1(275.48,192.85) 275.16,192.53 275.16,188.44 272.38,185.66 272.38,180.75 275.37,177.77 275.37,151.48 U203.9 ; U205.20 224.43,203.87 v1(224.26,204.04) ; v1(228.36,204.04) v1(228.36,196.07)
  Bottom w0.15: v1(228.36,196.07) 228.65,195.77 266.66,195.77 269.58,192.85 v1(275.48,192.85) ; v1(224.26,204.04) v1(228.36,204.04)
/Serial/DTR-OUT: length 45
  Top w0.15: U205.1 231.99,198.67 230.56,200.11 v1(230.56,211.97)
  Bottom w0.15: v1(230.56,211.97) 223.08,211.97 213.69,221.36 213.69,227.45 215.09,228.85 CN203.45
